# KiCad board Womo.kicad_pcb (continued)
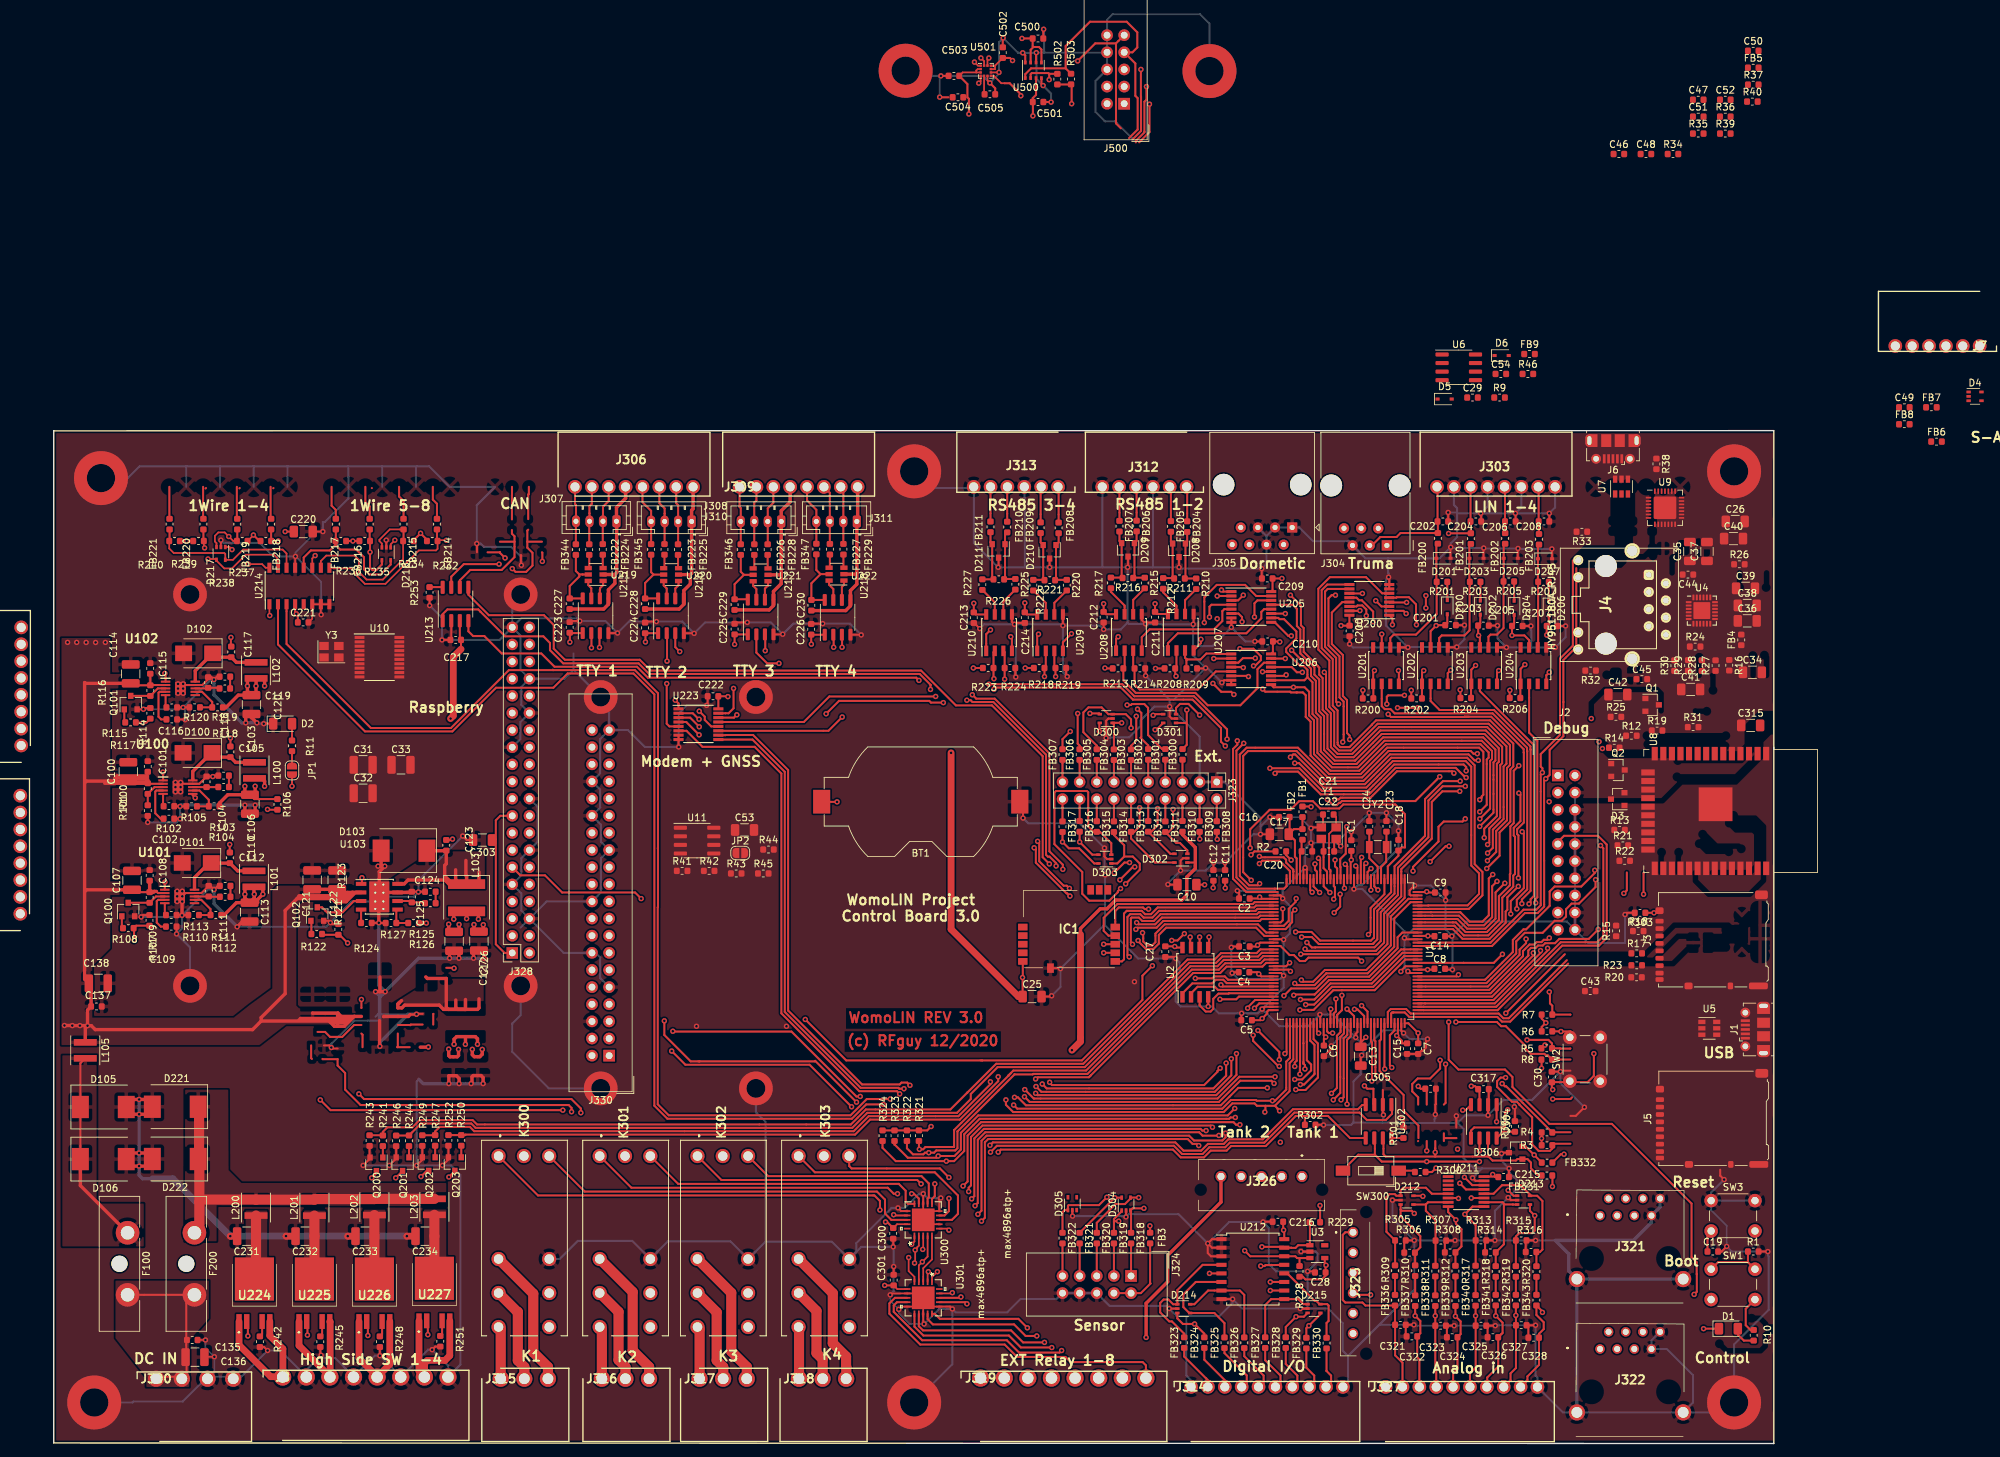
[diagram p0: board, top side]
## Copper pours and planes (outline as drawn; the poured copper is in the pictures) (continued)
Net-(C130-Pad1) on Top: 63.72,63.7 58.18,63.69 57,64.78 52.1,64.78 51.72,64.44 50.37,64.44 50.27,64.45 50.28,64.45 50.29,64.48 50.27,64.48 50.27,65.15 56.19,68.88 63.72,68.88
Net-(D105-Pad1) on Top: 6.35,35.56 13.34,35.56 13.34,29.21 1.27,29.21 1.27,57.53 6.35,57.53
Net-(D221-Pad1) on Top: 58.17,35.18 58.17,38.61 27.81,38.61 25.91,40.51 25.86,52.44 19.47,52.44 19.43,29.97 24.13,29.97 24.13,35.31

## Text on the board
Top: WomoLIN REV 3.0 | (c) RFguy 12/2020
F.SilkS: DC IN | 1Wire 1-4 | High Side SW 1-4 | 1Wire 5-8 | Raspberry | CAN | K1 | TTY 1 | K2 | TTY 2 | Modem + GNSS | K3 | TTY 3 | K4 | TTY 4 | WomoLIN Project / Control Board 3.0 | RS485 3-4 | EXT Relay 1-8 | Sensor | WomoLIN Sensor Board | RS485 1-2 | Ext. | Tank 2 | Digital I/O | Dormetic | Tank 1 | Truma | Analog in | LIN 1-4 | Debug | Boot | Reset | USB | Control | S-Addon
